# Allegro board RK_NVR_DEMO_RK3568_DDR4P216SD4_V12_20201221YWQ_final.brd (continued)
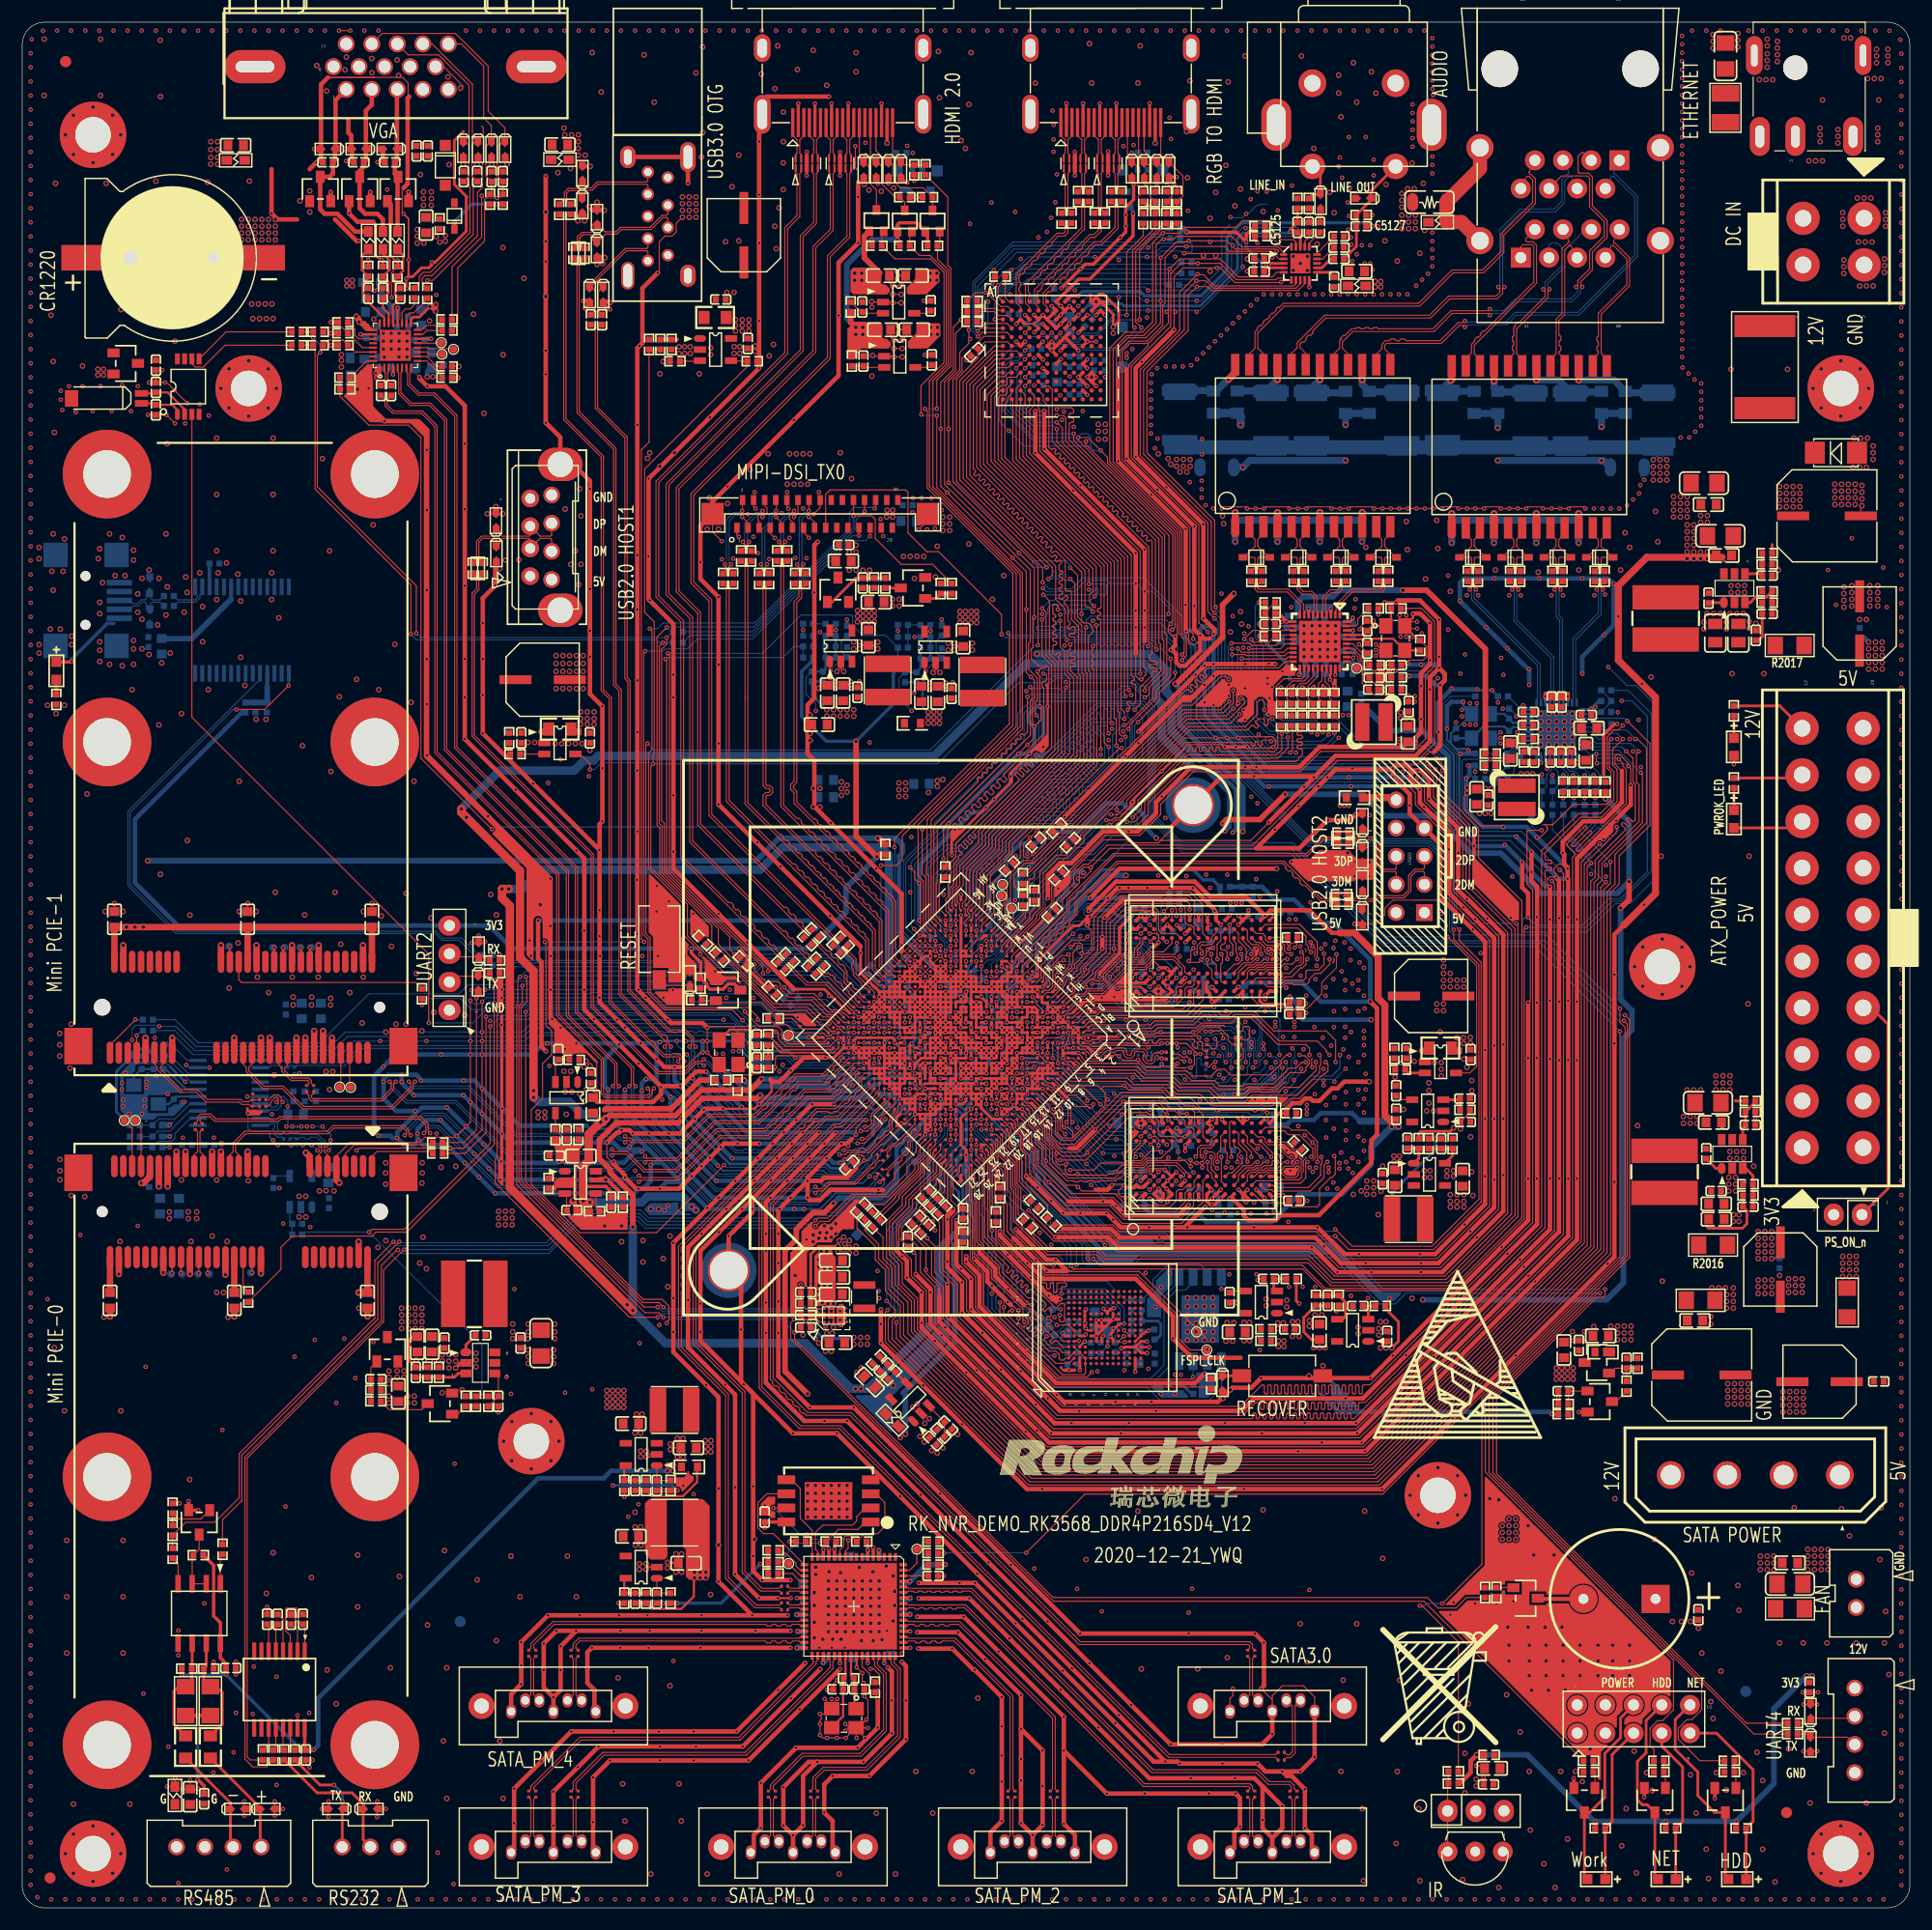
[diagram p0: board, top side]
## Routing (per net, layer and track width the routed paths; a pad name or vN(x,y) marks a point on that pad's centre or on a via; arc(x,y) is an arc through that point) (continued)
  POWER w0.254: 89.61,84.18 88.29,82.85 88.29,81.57 88.01,81.29 88.01,80.08 87.34,79.41 v1(87.34,79.35)
  POWER w0.305: 89.61,84.18 89.61,84.4 v1(89.62,84.42) 91.19,85.98 91.19,87.17 91.26,87.25
  POWER w0.406: 91.26,87.25 97.18,93.17 98.77,93.17 102.01,96.41 102.17,96.41 v2(102.19,96.42) 102.52,96.42 103.23,95.71 107.85,95.71 v1(109.07,96.93)
  POWER w0.762: v2(91.44,113.03) 91.24,113.03 87.05,108.84 68.35,108.84 51.36,91.85 v2(43.84,91.85) v2(43.23,91.85)
  BOTTOM w0.254: v1(81.36,73.84) 81.36,73.78 C1717.1 80.97,73.38 80.75,73.38 78.38,71.02 78.38,70.79 C1719.1 ; v1(84.79,61.52) 84.79,61.98 84.38,62.38 84.38,64.52 83.77,65.13 83.77,68.07 84.73,69.04 84.73,70.63 C1508.1 84.12,71.24 v1(84.12,71.54) ; v2(59.49,71.17) 59.64,71.17 63.75,67.06 72.49,67.06 72.9,66.65 74.02,66.65 74.83,67.46 74.83,67.67 75.34,68.17 75.84,68.17 77.11,69.44 ; v1(87.34,79.35) 87.35,79.34 C1212.1 ; C1211.1 89.51,83.8 89.51,84.3 v1(89.62,84.42) ; v1(79.48,77.98) 79.53,78.03 79.53,78.42 C1207.1 79.69,78.44 80.14,78.44 80.91,79.2 v1(80.91,79.35) 80.91,79.76 C1700.1 80.39,80.27 80.39,80.48 C1721.1
  BOTTOM w0.305: C1721.1 79.84,81.03 79.84,81.27 79.59,81.52 C1206.1
  BOTTOM w0.406: 106.12,103.53 106.63,103.53 109.37,100.79 109.37,97.23 v1(109.07,96.93) ; v2(102.19,96.42) 102.15,96.42 101.09,97.49 101.09,98.48 100.43,99.14 99.57,99.14 99.14,99.57 97.71,99.57 95.13,96.99 92.37,96.99 91.35,95.96 89.96,95.96 88.65,94.65 88.65,93.62 C1415.1 87.16,92.02 R1403.2 ; 77.11,69.44 77.59,69.91 C1719.1 ; C1206.1 79.56,81.9 C1724.1 79.13,82.38 78.73,82.79
  BOTTOM w0.508: v2(66.5,73.25) 66.75,73 75.59,73 R1410.2 76.03,73.34 R1402.2 ; 83.29,60.02 v1(84.79,61.52)
  BOTTOM w0.762: v2(55.02,53.85) 57.96,50.9 70.56,50.9 74.68,46.79 v2(75.08,46.79) v2(75.59,46.79) 76.17,46.79 82.68,53.29 82.68,59.41 83.29,60.02 ; v2(55.02,53.85) 55.02,54.86 ; v2(55.02,53.85) v2(54.51,54.36) 55.02,54.86 ; 55.02,54.86 v2(55.02,61.37) ; 78.73,82.79 78.08,83.43 78.08,94.89 77.37,95.61 68.53,95.61 66.5,93.57 46.79,93.57 45.06,91.85 v2(43.84,91.85) v2(43.23,91.85) ; 106.12,103.53 103.56,106.1 103.56,109.14 103.07,109.63 103.07,111.56 101.6,113.03 v2(91.44,113.03)
VCCIO_FLASH: length 30.5
  TOP w0.203: U4000.P5 U4000.N4 100.6,50.24 U4000.P3
  TOP w0.254: U4000.C6 95.69,51.55 v1(95.82,51.68) ; v1(99.03,50.44) 99.06,50.44 99.11,50.49 99.34,50.49 99.4,50.55 U4000.M4 U4000.N4 ; U4000.P3 100.83,50.01 v1(101.35,50.01) ; U4000.P5 100.79,51.06 v1(101.35,51.06) ; U1000.H18 v1(86.42,73.84)
  BOTTOM w0.254: v1(97.56,59.74) 97.56,59.77 92.12,65.21 92.12,65.98 90.91,67.19 90.91,68.16 89.82,69.24 89.2,69.24 85.98,72.47 85.98,73.11 C1300.1 86.42,73.62 v1(86.42,73.84) ; R4312.1 105.33,46.34 C4304.1 ; R4005.1 102.34,52.9 102.59,52.64 102.59,51.61 102.21,51.23 C4003.1 101.91,51.23
  BOTTOM w0.305: R4311.1 100.86,53.86 R4005.1
  vias: v1(103.89,48.06) v1(104.39,48.06) v2(110.08,52.77) v2(110.08,51.12) v2(110.59,52.77) v2(110.59,51.12)
VCCIO_PHY0: length 6.9
  TOP w0.305: 142.49,102.19 142.49,105.74 143.47,106.72 v1(143.71,106.72)
  BOTTOM w0.203: v1(137.38,102.69) 137.38,103.2 137.25,103.34 U6700.28 ; R6737.1 v1(143.71,106.72)
VCCIO_PHY1: length 7.2
  TOP w0.203: v1(117.84,110.69) 117.84,111.13 117.92,111.2 U6800.28 ; R6823.1 v1(113.42,110.02) ; R6837.1 v1(111.46,114.64)
  BOTTOM w0.305: v1(111.46,114.64) 114.19,111.91 114.19,110.72
VDD1V2_RTD_VCCK: length 5.9
  TOP w0.203: 31.22,142.24 31.02,142.24 30.56,142.7 30.56,142.74 30.48,142.82 ; 31.22,142.24 31.51,142.24 ; 31.22,142.24 30.64,142.82 30.49,142.82 ; U5900.4 33.42,138.24 v1(33.41,138.23)
  TOP w0.254: U5900.25 31.51,142.24 30.83,142.92 30.59,142.92 30.49,142.82 30.48,142.82 v2(30.35,142.95)
  TOP w0.508: v2(30.1,143.46) 30.26,143.3 30.26,143.2 30.35,143.11 v2(30.35,142.95)
  BOTTOM w0.406: C5913.1 33.41,138.79 v1(33.41,138.23)
VDD1V2_SATAPM: length 16.7
  TOP w0.203: C8348.1 60.52,28.08 59.39,26.95 56.73,26.95 R8313.1 C8347.1
  TOP w0.305: U8300.58 v1(80.01,27.93) ; U8300.29 v1(69.86,24.93) ; U8300.52 v1(80.01,24.93) ; U8300.4 v1(77.18,32.23) ; U8300.46 v1(77.68,22.05) ; U8300.23 v1(69.81,27.93) ; U8300.14 v1(72.18,32.29) ; U8300.35 v1(72.18,22.09)
  BOTTOM w0.508: v1(77.18,32.23) 77.18,31.66 C8357.1 ; C8356.1 79.94,27.86 v1(80.01,27.93) ; v1(72.18,22.09) 72.39,22.3 C8352.1 ; v1(69.86,24.93) 69.89,24.93 69.9,24.92 C8353.1
  vias: v1(79.25,22.94) v2(60.58,30.25) v2(60.58,29.74) v2(61.09,30.25) v2(61.09,29.74) v2(61.59,30.25) v2(61.59,29.74)
VDD10_PHY0: length 3.6
  TOP w0.305: C6721.1 135.25,107.21 v1(135.26,107.22)
  TOP w0.406: v1(140.12,103.24) 140.07,103.29 C6720.1
  BOTTOM w0.254: v1(140.12,103.24) 140.05,103.3 U6700.21 ; U6700.3 v1(137.25,109.2) ; U6700.8 v1(139.25,109.2) ; U6700.38 v1(135.26,107.22)
  vias: v2(131.32,98.65) v2(131.83,98.65) v2(132.33,98.65)
VDD10_PHY1: length 3.5
  TOP w0.254: U6800.8 v1(115.92,117.13) ; v1(115.04,111.15) 115.04,111.18 115.12,111.26 U6800.21 ; U6800.38 v1(119.9,115.15) ; U6800.3 v1(117.92,117.13)
  BOTTOM w0.305: C6821.1 119.9,114.6 v1(119.9,115.15)
  BOTTOM w0.406: C6819.1 115.55,111.15 v1(115.04,111.15)
  vias: v2(124.21,107.75) v2(124.21,107.24) v2(124.71,107.24) v2(125.22,107.24)
VDD_CPU: length 25.7
  TOP w0.254: v1(84.58,75.68) U1000.L17 ; v1(84.58,75.68) U1000.M17 v1(85.04,76.14) ; v1(84.58,75.68) U1000.L18 ; U1000.L17 v1(85.04,75.22) ; U1000.L17 v1(85.04,76.14) ; U1000.L17 v1(85.5,75.68) ; U1000.K17 v1(85.5,74.76) 85.04,74.76 ; U1000.K17 v1(85.5,75.68) ; U1000.K17 v1(85.04,75.22) ; U1000.K17 v1(85.96,75.22) ; 85.04,74.76 v1(84.58,74.76) U1000.L18 ; 85.04,74.76 v1(85.04,75.22) ; 85.04,74.76 U1000.K18 ; v1(85.96,75.22) 86.36,75.22 ; v1(85.96,75.22) U1000.K16 ; 86.36,75.22 v1(86.88,75.22) U1000.J15 ; 86.36,75.22 86.42,75.28 86.42,75.68 ; 85.96,76.14 U1000.K16 ; 85.96,76.14 85.96,76.14 U1000.K15 ; 85.96,76.14 U1000.L15 ; 85.96,76.14 U1000.L16 ; U1000.K16 86.42,75.68 ; U1000.K16 v1(85.5,75.68) ; U1000.J15 86.88,76.14 U1000.K15 ; U1000.J15 86.42,75.68 ; v1(85.04,76.14) U1000.L16 ; v1(85.5,75.68) U1000.L16 ; 86.42,75.68 U1000.K15 ; v1(85.04,75.22) U1000.L18 ; v2(73.51,59.64) 71.78,59.64 71.05,58.91 C2126.1 R2124.1
  POWER w0.089: 85.85,72.72 85.85,73.73 86.29,74.16 86.29,74.43 86.1,74.62 86.1,74.64 85.96,74.77 v1(85.96,75.22)
  POWER w0.254: 85.8,76 85.94,76.14 85.96,76.14 ; 86.11,75.69 86.12,75.68 86.42,75.68
  vias: v2(73.51,59.13) v2(73.61,60.15) v2(74.02,60.45) v2(74.02,59.33) v2(74.12,59.84) v2(74.52,60.15) v2(74.52,59.54) v2(74.52,59.03) v2(75.13,59.64) v2(75.13,59.03)
VDD_CPU_COM: length 50
  TOP w0.102: U2104.A4 70.66,53.99 R2124.2 C2126.2 v1(70.15,56.18)
  TOP w0.254: U1000.M15 v1(85.5,76.6)
  POWER w0.089: 89.15,70.71 89.09,70.71 86.56,73.24 86.56,73.51 86.74,73.7 86.74,73.97 86.56,74.16 86.56,74.43 86.81,74.68 86.93,74.68 87.38,75.13 87.38,75.77 86.61,76.53 85.57,76.53 v1(85.5,76.6)
  POWER w0.1: 89.15,70.71 90.07,69.8 90.07,68.28
  POWER w0.102: 90.07,68.28 90.07,64.45 82.68,57.06 82.68,53.29 81.28,51.89 76.96,51.89 73.2,55.66 73.2,56.49 73.1,56.59 70.55,56.59 v1(70.15,56.18)
VDD_LOGIC: length 66.9
  TOP w0.254: U1000.P16 v1(84.58,77.52) U1000.N16 84.58,77.06 ; U1000.P16 v1(84.12,77.98) U1000.R16 ; U1000.P16 v1(83.66,77.52) U1000.R16 ; U1000.T16 v1(83.66,78.44) 83.66,78.43 U1000.R16 ; U1000.L12 v1(86.88,77.98) U1000.M12 v1(86.42,78.44) U1000.N13 85.96,78.89 v1(85.96,78.89) U1000.P13 v1(85.5,79.35) U1000.R12 85.5,79.81 85.05,79.81 85.03,79.8 v1(85.03,79.8) 85.04,79.81 U1000.T12
  POWER w0.089: v1(84.58,77.52) U1000.N16 84.91,76.73 85.18,76.73 85.53,77.09 ; v1(85.96,78.89) 86.29,79.22 87.02,79.22 87.25,78.99 87.25,78.34 v1(86.88,77.98) ; 85.53,77.09 85.64,76.99 85.64,76.92 85.83,76.73 86.1,76.73 86.88,77.52 v1(86.88,77.98) ; 85.53,77.09 86.42,77.98 v1(86.88,77.98) ; 85.04,79.81 86.36,81.13 86.36,81.69 85.85,82.2 85.85,83.84 87.25,85.24 87.25,85.67 ; 85.04,79.81 U1000.T12 84.97,80.35 84.97,80.46 83.82,81.61 83.7,81.61 78.99,86.33 ; 85.04,79.81 v1(85.03,79.8)
  POWER w0.102: v1(80.14,107.9) 80.01,107.77 80.01,99.9 78.94,98.83 78.94,86.97 78.88,86.91 78.88,86.44 78.99,86.33
  BOTTOM w0.102: R2107.1 79.54,111.36 78.99,110.82 78.99,109.04 v1(80.14,107.9)
  BOTTOM w0.203: v2(81.64,107.8) 81.13,108.31 81.13,109.96 80.61,110.47 C2110.2 R2107.2 ; C2120.1 R2111.1 80.93,111.73 C2110.1 R2107.1
  vias: v2(81.64,107.29) v2(81.64,106.78) v2(81.66,100.53) v2(82.14,107.8) v2(82.14,107.29) v2(82.14,106.78) v2(82.45,101.6) v2(82.45,101.09) v2(82.68,107.8) v2(82.65,107.29) v2(82.65,106.78) v2(82.96,101.7)
VDDA_0V9: length 263.9
  TOP w0.254: U1000.M20 v1(82.74,74.76) ; v1(81.36,79.81) 81.36,79.81 U1000.W16 ; U1000.V19 v1(80.9,78.44) U1000.V18 v1(81.36,78.89) U1000.V17 ; v1(80.15,77.92) 79.99,77.76 U1000.V21 ; v1(86.83,79.81) 86.8,79.81 U1000.P11
  TOP w0.305: R2100.1 C2102.1 53.06,64.54 52.58,65.02 50.65,65.02 50.55,65.13
  TOP w0.508: v2(52.6,71.12) 52.91,71.42 58.88,71.42 61.17,73.72 R1407.2 65.62,73.72 v2(66.61,74.7)
  TOP w0.762: v2(51.16,63.6) 50.65,63.6 v2(50.55,63.7) 50.55,66.85 51.05,67.35 C2100.1 51.05,69.74 v2(52.12,70.82) 52.3,70.82 v2(52.6,71.12) ; v2(39.57,99.06) 39.57,98.76 v2(40.03,98.3) 44.86,93.47 44.86,85.65 46.08,84.43 v2(46.08,73.66) v2(46.08,73.05)
  POWER w0.089: 87.74,80.36 87.44,80.65 ; 87.74,80.36 87.74,80.19 87.36,79.81 v1(86.83,79.81) ; 87.74,80.36 87.74,81.25 87.47,81.52 87.47,81.61 ; 87.44,80.65 87.26,80.84 ; 87.44,80.65 87.26,80.65 ; 87.47,81.61 86.92,81.61 ; 87.47,81.61 87.47,81.78 87.7,82.01 87.7,82.55 ; 86.92,81.15 86.92,81.28 ; 86.92,81.15 86.84,81.15 86.56,80.87 86.56,80.6 86.87,80.29 86.87,80.27 86.88,80.29 86.89,80.29 87.26,80.65 ; 86.92,81.15 87.21,80.87 87.23,80.87 87.26,80.84 ; 87.26,80.84 87.26,80.65
  POWER w0.254: v1(82.74,74.76) 82.61,74.76 82.32,74.47 ; 86.92,81.28 86.92,82.3 87.17,82.55 87.7,82.55 87.7,82.77 87.79,82.86 87.79,82.97
  POWER w0.305: 86.87,80.27 86.87,79.88 86.83,79.84 v1(86.83,79.81) ; 82.32,74.47 81.94,74.09 81.94,73.76 81.56,73.38 80.7,73.38 80.21,72.9 80.21,72.64
  POWER w0.356: 90.73,86.17 89.12,84.56 89.12,84.29 87.79,82.97
  POWER w0.406: 78.38,70.31 78.49,70.41 78.49,70.92 80.21,72.64 ; v1(95.63,93.29) 95.72,93.2 ; 95.72,93.2 95.76,93.17 96.44,93.17 96.95,93.68 98.56,93.68 101.86,96.98 102.68,96.98 103.34,96.32 107.65,96.32 v1(108.36,97.03) ; 95.72,93.2 95.72,92.63 90.73,87.63 90.73,86.17
  POWER w0.762: 78.38,70.31 78.08,70 78.08,64.57 77.32,63.8 75.16,63.8 74.01,62.66 71.17,62.66 70.79,62.28 61.32,62.28 v2(60.71,62.89) 60.4,63.2 v2(60.3,63.2)
  BOTTOM w0.203: C1723.1 78.63,76.59 78.76,76.59 78.99,76.82 78.99,77.02 C1205.1 79.52,77.43 79.76,77.67 ; 79.76,77.67 80.02,77.92 v1(80.15,77.92) 80.37,77.71 C1722.1 80.27,77.67 79.76,77.67
  BOTTOM w0.254: 73.43,74.9 73.71,75.18 75.04,75.18 75.2,75.02 75.2,74.88 C1214.1 75.55,74.82 76.11,74.82 76.48,75.18 76.99,75.18 77.95,76.15 78.18,76.15 C1723.1 ; v1(81.36,78.89) 81.69,78.89 C1213.1 81.7,78.69 81.16,78.69 ; v1(81.36,78.89) 81.16,78.69 ; v1(81.36,78.9) v1(81.36,79.81) 81.36,80.12 C1701.1 ; 81.16,78.69 v1(80.9,78.44) 80.64,78.44 80.33,78.12 80.33,78.1 v1(80.15,77.92) ; C1209.1 86.47,79.6 86.48,79.59 86.6,79.59 v1(86.83,79.81)
  BOTTOM w0.406: v1(108.36,97.03) 108.76,97.43 108.76,100.48 106.53,102.72 105.51,102.72
  BOTTOM w0.508: 73.43,74.9 72.11,74.9 71.91,74.7 v2(66.61,74.7) ; R1401.2 C1208.1 94.17,91.58 94.06,91.69 94.06,92.51 94.95,93.4 95.53,93.4 v1(95.63,93.29)
  BOTTOM w0.762: v2(40.03,98.3) 39.57,98.76 v2(39.57,99.06) 43.03,102.51 49.73,102.51 50.65,103.43 51.46,103.43 51.87,103.84 57.96,103.84 57.97,103.83 82.16,103.83 90.5,112.17 101.14,112.17 102.16,111.15 102.16,109.02 102.67,108.51 102.67,105.56 105.51,102.72 ; v2(46.08,73.66) v2(46.08,73.05) 46.18,73.05 46.58,72.64 49.33,72.64 50.44,71.53 51.26,71.53 51.97,70.82 v2(52.12,70.82) 52.27,70.82 52.58,71.12 v2(52.6,71.12) ; v2(50.55,63.7) 50.65,63.6 v2(51.16,63.6) 55.83,63.6 56.34,64.11 59.51,64.11 59.73,63.89 59.73,63.35 ; 59.73,63.35 59.89,63.2 v2(60.3,63.2) 60.4,63.2 v2(60.71,62.89) ; 59.73,63.35 C1720.1
ARMJTAG_TCK: length 3.7
  TOP w0.102: U1000.H26 v1(82.28,69.7)
  BOTTOM w0.102: TP1305.1 80.72,67.56 80.72,68.14 v1(82.28,69.7)
ARMJTAG_TMS: length 5.9
  TOP w0.102: U1000.J23 v1(83.2,71.54)
  BOTTOM w0.089: v1(83.2,71.54) 82.74,71.54 82.36,71.16 81.98,71.16 80.17,69.35
  BOTTOM w0.102: 80.17,69.35 79.5,68.68 TP1306.1
BEEP_EN_H_GPIO0_D6: length 152.6
  TOP w0.102: v1(69.6,51.87) 69.6,51.24 92.86,27.97 126.61,27.97 127.56,27.03 129.18,27.03 130.13,27.97 R7004.1 ; v1(45.36,80.77) 45.36,65.43 55.94,54.86 57.65,54.86 58.27,54.24 58.27,52.93 v1(58.06,52.73) ; U1000.AC24 v1(75.85,77.98)
  BOTTOM w0.089: 71.84,79.19 73.41,77.62 74.12,77.62 74.34,77.84 74.61,77.84 74.8,77.65 75.06,77.65 75.39,77.98 v1(75.85,77.98)
  BOTTOM w0.102: v1(69.6,51.87) 68.43,53.04 58.37,53.04 v1(58.06,52.73) ; v1(45.36,80.77) 45.57,80.98 64.45,80.98 65.87,79.55 69.14,79.55 69.44,79.25 71.78,79.25 71.84,79.19
CLK0N: length 3.3
  BOTTOM w0.097: R8516.1 23.4,69.72 23.11,69.72 23.02,69.81 23.02,70.64 22.68,70.98 22.44,70.98 22.24,71.18 U8501.19
CLK0P: length 3.4
  BOTTOM w0.097: U8501.20 22.24,70.53 22.44,70.73 22.58,70.73 22.76,70.55 22.76,70.36 22.62,70.22 22.62,70.08 22.77,69.93 22.77,69.71 23.01,69.47 23.4,69.47 R8517.1
CLK1N: length 4.1
  TOP w0.097: R8521.1 22.16,72.24 22.4,72.48 22.4,72.64 22.79,73.03 22.98,73.03 23.08,72.93 23.08,72.8 v1(22.93,72.64)
  BOTTOM w0.097: U8501.17 22.16,72.48 22.46,72.18 22.88,72.18 23.08,72.38 23.08,72.49 v1(22.93,72.64)
CLK1P: length 4.6
  TOP w0.097: R8520.1 21.97,72.82 22.23,72.82 22.68,73.28 23.08,73.28 23.33,73.04 23.33,72.8 v1(23.48,72.64)
  BOTTOM w0.097: U8501.18 22.2,71.83 22.3,71.93 22.98,71.93 23.33,72.27 23.33,72.49 v1(23.48,72.64)
CLK3N: length 2.1
  BOTTOM w0.097: U8501.11 22.24,76.38 22.44,76.18 23.19,76.18 R8526.1
CLK3P: length 2.1
  BOTTOM w0.097: R8525.1 23.19,75.93 22.44,75.93 22.24,75.73 U8501.12
CLK_0N: length 5.9
  TOP w0.097: J8500.11 27.51,67.87 27.23,68.15 27.23,68.58 v1(27.39,68.73)
  BOTTOM w0.097: R8516.2 24.15,69.88 R8518.1 24.91,69.88 25.07,69.72 26.65,69.72 27.23,69.13 27.23,68.88 v1(27.39,68.73)
CLK_0P: length 5.7
  TOP w0.097: J8500.13 26.71,67.87 26.99,68.15 26.99,68.58 v1(26.83,68.73)
  BOTTOM w0.097: v1(26.83,68.73) 26.99,68.88 26.99,69.03 26.55,69.47 26.01,69.47 25.83,69.29 25.54,69.29 25.36,69.47 25.07,69.47 24.91,69.31 R8519.1 24.66,69.39 24.23,69.39 R8517.2
CLK_1N: length 12.2
  TOP w0.097: J8501.11 11.91,76.06 12.19,75.78 12.19,75.54 14.22,73.51 15.7,73.51 16.59,72.62 19.58,72.62 19.78,72.42 20.45,72.42 20.61,72.26 R8522.1 21.37,72.26 R8521.2
CLK_1P: length 11.8
  TOP w0.097: R8520.2 21.37,72.83 R8523.1 20.61,72.83 20.45,72.67 19.89,72.67 19.68,72.87 16.69,72.87 15.8,73.76 14.32,73.76 12.43,75.65 12.43,75.78 12.71,76.06 J8501.13
DDR4_A0: length 52.5
  TOP w0.102: v1(114.89,85.52) 114.44,85.07 113.69,85.07 113.39,84.77 112.14,84.77 111.95,84.58 111.4,84.58 111.04,84.22 U3300.P3 ; v1(114.89,67.24) 114.73,67.24 114.63,67.13 114.63,66.98 114.51,66.85 113.74,66.85 113.64,66.75 113.64,66.65 113.47,66.48 112.14,66.48 111.95,66.29 111.4,66.29 111.04,65.94 U3301.P3 ; v1(115.64,76.24) 115.61,76.2 115.27,76.2 114.76,75.69 114.15,75.69 112.73,74.27 110.16,74.27 109.96,74.07 107.95,74.07 107.44,74.57 105.37,74.57 104.81,75.13 101.18,75.13 100.49,75.82 95.48,75.82 94.7,76.6 U1000.B6
  POWER w0.1: v1(114.89,85.52) 114.89,85.22 115.19,84.92 115.19,84.52 115.89,83.82 115.89,82.53 116.04,82.38 116.04,80.23 115.77,79.96 115.77,77.22 115.64,77.09 115.64,76.45 115.64,76.45 v1(115.64,76.24) 115.59,76.19 115.59,75.44 115.78,75.25 115.78,72.87 116.11,72.55 116.11,69.75 115.59,69.24 115.59,68.84 114.89,68.14 114.89,67.24 v1(114.89,67.24)
DDR4_A1: length 50.5
  TOP w0.102: v1(112.54,67.69) 112.22,68.01 112.22,68.07 111.48,68.81 111.12,68.81 110.97,68.96 U3301.P7 ; U1000.F5 v1(93.31,78.89) ; U3300.P7 111.07,87.14 111.19,87.02 111.51,87.02 111.51,87.01 111.93,86.58 111.93,86.24 112.2,85.97 v1(112.54,85.97)
  POWER w0.1: v1(112.54,85.97) 112.54,84.6 112.96,84.18 112.96,83.77 113.44,83.29 113.44,80.67 113.56,80.55 113.56,79.16 113.25,78.85 113.25,78.32 113.33,78.23 113.33,78.03 113.25,77.94 113.25,77.62 113.33,77.53 113.33,77.3 113.25,77.22 113.25,76.93 v1(113.29,76.89) 113.29,76.09 113.19,75.99 113.19,75.47 113.49,75.17 113.49,73.45 113.84,73.09 113.84,70.45 112.89,69.5 112.89,68.83 112.62,68.57 112.62,67.77 v1(112.54,67.69)
  BOTTOM w0.089: v1(93.31,78.89) 93.32,78.9 93.32,79.36 93.64,79.68 93.64,79.68 93.91,79.95 93.91,79.95 94.1,80.14 94.59,80.14
  BOTTOM w0.102: 94.59,80.14 94.79,80.33 96.59,80.33 96.6,80.34 97.13,80.87 107.16,80.87 107.57,80.47 108.71,80.47 109.07,80.82 111.25,80.82 111.61,81.18 112.22,81.18 113.33,80.06 113.33,79.25 113.23,79.15 113.23,77.32 113.29,77.26 v1(113.29,76.89)
DDR4_A2: length 52.7
  TOP w0.102: v1(115.99,76.89) 115.99,77.51 115.67,77.83 113.13,77.83 110.74,80.21 109.42,80.21 108.97,79.76 106.22,79.76 105.82,79.35 102.36,79.35 102,78.99 96.62,78.99 U1000.B1 ; v1(115.26,86.16) 115.44,85.97 115.44,85.22 115.16,84.94 114.91,84.94 114.19,84.23 113.59,84.23 113.25,84.57 112.23,84.57 111.88,84.22 U3300.R3 ; U3301.R3 111.88,65.94 112.23,66.28 113.44,66.28 113.88,65.84 114.76,65.84 114.96,66.04 114.96,66.24 115.24,66.52 v1(115.24,67.66)
  POWER w0.1: v1(115.24,67.66) 115.24,68.19 115.88,68.84 115.88,69.09 116.41,69.61 116.41,72.67 116.11,72.97 116.11,75.41 115.88,75.64 115.88,75.94 115.98,76.04 115.98,76.88 v1(115.99,76.89) 116.08,76.97 116.08,79.76 116.35,80.03 116.35,82.57 116.2,82.72 116.2,83.01 116.28,83.09 116.28,83.41 116.2,83.5 116.2,83.92 115.49,84.63 115.49,85.08 115.26,85.3 v1(115.26,86.16)
DDR4_A3: length 45.4
  TOP w0.102: U1000.F4 v1(93.77,79.35) ; v1(110.74,67.69) 110.74,68.16 109.99,68.91 U3301.N7 ; v1(110.74,85.97) 110.9,86.13 110.9,86.28 109.99,87.19 U3300.N7
  POWER w0.1: v1(110.74,67.69) 110.74,67.92 110.94,68.12 110.94,68.89 111.43,69.39 111.43,70.24 111.73,70.54 111.73,74.89 111.51,75.12 111.51,76.87 v1(111.49,76.89) 111.49,78.52 111.62,78.65 111.62,83.51 110.75,84.37 110.75,85.96 v1(110.74,85.97)
  BOTTOM w0.089: v1(93.77,79.35) 93.78,79.35 93.91,79.49 94.37,79.49 94.59,79.71
  BOTTOM w0.102: v1(111.49,76.89) 111.51,76.9 111.51,78.03 111.71,78.23 111.71,79.86 111.05,80.52 109.22,80.52 108.86,80.16 107.39,80.16 106.98,80.57 97.33,80.57 96.79,80.03 94.91,80.03 94.59,79.71
DDR4_A4: length 56.5
  TOP w0.089: 109.99,84.25 U3300.N3
  TOP w0.102: v1(113.09,67.24) 112.97,67.36 112.73,67.36 112.62,67.26 112.62,67.01 112.52,66.91 111.92,66.91 111.71,66.7 111.23,66.7 111.04,66.5 110.45,66.5 109.99,66.05 U3301.N3 ; U1000.D9 91.59,76.14 91.49,76.24 90.66,76.24 v1(90.56,76.14) ; v1(113.09,85.52) 112.77,85.2 111.92,85.2 111.71,84.99 111.23,84.99 111.04,84.79 110.53,84.79 109.99,84.25
  POWER w0.089: 113.89,75.14 113.89,75.84 113.84,75.89 v1(113.84,76.24)
  POWER w0.1: v1(113.09,67.24) 113.09,67.93 113.23,68.07 113.23,68.6 113.68,69.05 113.68,69.71 114.34,70.36 114.34,73.88 113.89,74.32 113.89,75.14 ; v1(113.84,76.24) 113.84,76.45 113.84,76.45 113.84,77.16 113.79,77.22 113.79,77.94 113.97,78.11 113.97,80.98 113.84,81.1 113.84,82.4 114.28,82.83 114.28,83.04 113.79,83.52 113.79,83.92 113.09,84.62 v1(113.09,85.52)
  BOTTOM w0.089: 92.49,74.64 91.47,75.66 91.47,75.95 91.28,76.14 90.56,76.14 v1(90.56,76.14)
  BOTTOM w0.102: 92.49,74.64 93.41,74.64 93.98,74.07 98.81,74.07 99.08,73.79 102.54,73.79 103.43,72.9 105.46,72.9 105.92,72.44 107.34,72.44 107.44,72.54 111.3,72.54 111.51,72.75 111.51,72.95 111.81,73.25 112.32,73.25 113.64,74.57 113.64,75.08 113.94,75.39 113.94,76.13 v1(113.84,76.24)
DDR4_A5: length 55.2
  TOP w0.089: v1(114.34,67.69) 114.03,67.69 112.93,68.78 112.27,68.78 112.01,69.04 112.01,69.29 111.93,69.38
  TOP w0.102: U1000.B7 93.88,76.04 94.32,76.04 94.87,75.49 95.33,75.49 95.35,75.51 100.36,75.51 101.05,74.82 103.84,74.82 104.39,74.27 107.24,74.27 107.75,73.76 110.08,73.76 110.29,73.96 112.9,73.96 114.22,75.29 115.47,75.29 115.67,75.49 115.67,75.79 115.98,76.1 115.98,76.4 115.57,76.81 115.17,76.81 v1(115.09,76.89) ; U3301.P8 110.86,69.94 111.3,69.49 111.81,69.49 111.93,69.38 ; U3300.P8 110.96,88.05 111.19,87.82 111.77,87.82 112.01,87.58 112.01,87.3 112.24,87.07 112.73,87.07 112.83,87.17 113.33,87.17 113.74,86.77 113.74,86.26 113.94,86.06 114.26,86.06 v1(114.34,85.97)
  POWER w0.1: v1(114.34,67.69) 114.48,67.82 114.48,68.31 114.99,68.82 114.99,69.57 115.65,70.23 115.65,70.74 115.37,71.01 115.37,74.97 114.91,75.43 114.91,75.86 115.09,76.04 v1(115.09,76.89) 115.11,76.9 115.11,77.98 115.31,78.17 115.31,83.44 114.79,83.96 114.79,84.6 114.26,85.13 114.26,85.27 114.34,85.34 v1(114.34,85.97)
DDR4_A6: length 57.9
  TOP w0.102: U3300.P2 111.19,83.82 112.69,83.82 112.92,83.59 113.46,83.59 113.79,83.92 114.39,83.92 115.19,84.72 115.36,84.72 115.67,85.04 115.67,85.4 v1(115.79,85.52) ; v1(115.79,67.24) 115.65,67.09 115.65,65.79 115.17,65.31 113.01,65.31 112.78,65.54 111.19,65.54 U3301.P2 ; v1(116.54,76.24) 116.59,76.19 116.59,75.49 115.06,73.96 113.64,73.96 113.23,73.56 110.59,73.56 109.98,72.95 108.05,72.95 107.04,73.96 104.27,73.96 103.71,74.52 100.93,74.52 100.24,75.21 94.7,75.21 94.23,75.67 U1000.A7
  POWER w0.1: v1(115.79,67.24) 115.79,67.24 115.79,68.05 116.82,69.07 116.82,73.61 116.57,73.85 116.57,76.2 v1(116.54,76.24) 116.52,76.25 116.52,78.96 116.78,79.21 116.78,83.41 116.86,83.49 116.86,84.06 116.59,84.32 116.37,84.32 115.89,84.8 115.89,85.42 v1(115.79,85.52)
DDR4_A7: length 62.3
  TOP w0.102: U3300.R8 111.79,88.42 112.02,88.65 115.11,88.65 116.69,87.07 116.69,85.53 v1(116.69,85.52) ; v1(117.44,76.24) 117.65,76.02 117.65,75.44 117.4,75.18 117.3,75.18 115.06,72.95 114.25,72.95 113.64,72.34 107.14,72.34 106.12,73.36 104.01,73.36 103.46,73.91 100,73.91 99.42,74.5 94.49,74.5 U1000.A8 ; v1(116.69,67.24) 116.69,69.08 115.67,70.1 114.35,70.1 114.09,70.36 112.02,70.36 U3301.R8
  POWER w0.1: v1(116.69,67.24) 116.71,67.25 116.71,67.96 117.84,69.09 117.84,69.58 117.53,69.9 117.53,70.5 117.84,70.81 117.84,72.51 117.61,72.74 117.61,75.74 117.44,75.9 v1(117.44,76.24) 117.44,77.16 117.3,77.3 117.3,78.05 117.53,78.28 117.53,81.52 117.79,81.78 117.79,83.12 117.57,83.34 117.57,84.44 116.69,85.32 v1(116.69,85.52)
DDR4_A8: length 61.3
  TOP w0.102: v1(117.59,67.24) 117.3,66.94 117.3,65.84 116.07,64.61 112.71,64.61 112.58,64.74 111.99,64.74 111.81,64.92 U3301.R2 ; U1000.C1 96.32,79.6 101.65,79.6 102.01,79.96 105.49,79.96 106.3,80.77 107.75,80.77 108.05,80.47 108.66,80.47 109.02,80.82 111,80.82 112.77,79.04 117.5,79.04 118.34,78.2 v1(118.34,76.24) ; U3300.R2 111.8,83.42 112.2,83.02 113.52,83.02 113.82,83.32 114.45,83.32 114.57,83.21 115.67,83.21 115.98,83.52 115.98,83.72 116.48,84.23 116.99,84.23 117.81,85.04 117.81,85.51 v1(117.79,85.52)
  POWER w0.1: v1(117.59,67.24) 117.59,67.83 118.6,68.85 118.6,75.12 118.39,75.33 118.39,76.18 v1(118.34,76.24) 118.37,76.26 118.37,77.81 118.54,77.99 118.54,83.82 118.18,84.18 118.18,84.83 117.79,85.22 v1(117.79,85.52)
DDR4_A9: length 45.8
  TOP w0.102: U3300.R7 111.59,87.29 112.12,86.77 112.62,86.77 113.04,86.35 113.04,86.27 113.34,85.98 113.44,85.98 v1(113.44,85.97) ; v1(113.44,67.69) 113.16,67.97 112.73,67.97 111.59,69.11 U3301.R7 ; U1000.A5 95.63,76.12 100.62,76.12 101.3,75.43 104.94,75.43 105.39,74.98 107.14,74.98 107.75,75.59 108.36,75.59 108.86,75.08 112.42,75.08 113.44,76.1 113.44,76.4 113.92,76.89 v1(114.19,76.89)
  POWER w0.1: v1(113.44,67.69) 113.54,67.78 113.54,68.47 113.98,68.92 113.98,69.6 114.64,70.26 114.64,74.05 114.22,74.48 114.22,76.86 v1(114.19,76.89) 114.19,77.24 114.09,77.34 114.09,77.6 114.1,77.61 114.1,77.74 114.27,77.92 114.27,81.2 114.58,81.51 114.58,83.16 114.09,83.65 114.09,84.06 113.42,84.72 113.42,85.95 v1(113.44,85.97)
DDR4_A10: length 47.4
  TOP w0.102: U3301.M3 109.19,66.04 110.07,66.91 110.77,66.91 111.09,67.24 v1(111.29,67.24) ; U1000.D6 v1(93.31,76.14) ; v1(111.29,85.52) 111.09,85.52 110.77,85.2 110.07,85.2 109.19,84.32 U3300.M3
  POWER w0.089: 111.4,67.97 111.29,67.86 v1(111.29,67.24)
  POWER w0.1: 111.4,67.97 111.4,68 111.63,68.22 111.63,69.01 111.87,69.25 111.87,69.92 112.74,70.79 112.74,71.6 112.49,71.84 112.49,73 112.14,73.36 112.14,75.09 111.93,75.3 111.93,75.97 112.04,76.09 v1(112.04,76.24) 112.04,77.17 112.17,77.3 112.17,80.12 112.39,80.34 112.39,82.72 112.02,83.09 112.02,83.68 111.29,84.41 v1(111.29,85.52)
  BOTTOM w0.102: v1(112.04,76.24) 111.98,76.18 111.98,75.76 111.51,75.29 111,75.29 109.83,74.12 107.8,74.12 107.67,73.99 104.52,73.99 103.56,74.95 100.46,74.95 100.19,75.23 94.4,75.23 93.78,75.84 93.61,75.84 v1(93.31,76.14)
DDR4_A11: length 58.4
  TOP w0.102: v1(117.79,76.89) 117.5,77.18 117.5,77.32 116.69,78.13 113.26,78.13 110.87,80.52 109.22,80.52 108.86,80.16 107.85,80.16 107.54,80.47 106.43,80.47 105.61,79.65 102.16,79.65 101.8,79.29 96.47,79.29 96.22,79.04 95.76,79.04 U1000.C2 ; v1(117.29,86.02) 117.29,85.03 116.79,84.53 115.77,84.53 115.67,84.43 115.67,83.82 115.47,83.62 113.79,83.62 113.49,83.32 112.49,83.32 U3300.T2 ; U3301.T2 112.68,65.14 112.88,64.94 115.89,64.94 116.99,66.04 116.99,66.95 117.09,67.06 117.09,67.63 v1(117.04,67.69)
  POWER w0.1: v1(117.04,67.69) 117.04,67.86 118.14,68.96 118.14,69.71 117.83,70.02 117.83,70.38 118.14,70.69 118.14,72.64 117.89,72.89 117.89,75.83 117.78,75.94 117.78,76.64 117.79,76.64 v1(117.79,76.89) 117.79,77.27 117.6,77.46 117.6,77.92 117.84,78.16 117.84,81.39 118.1,81.65 118.1,83.24 117.78,83.56 117.78,84.64 117.19,85.22 117.19,85.92 v1(117.29,86.02)
